# Altium PCB DDR3.PcbDoc (part 2 of 6) (continued)
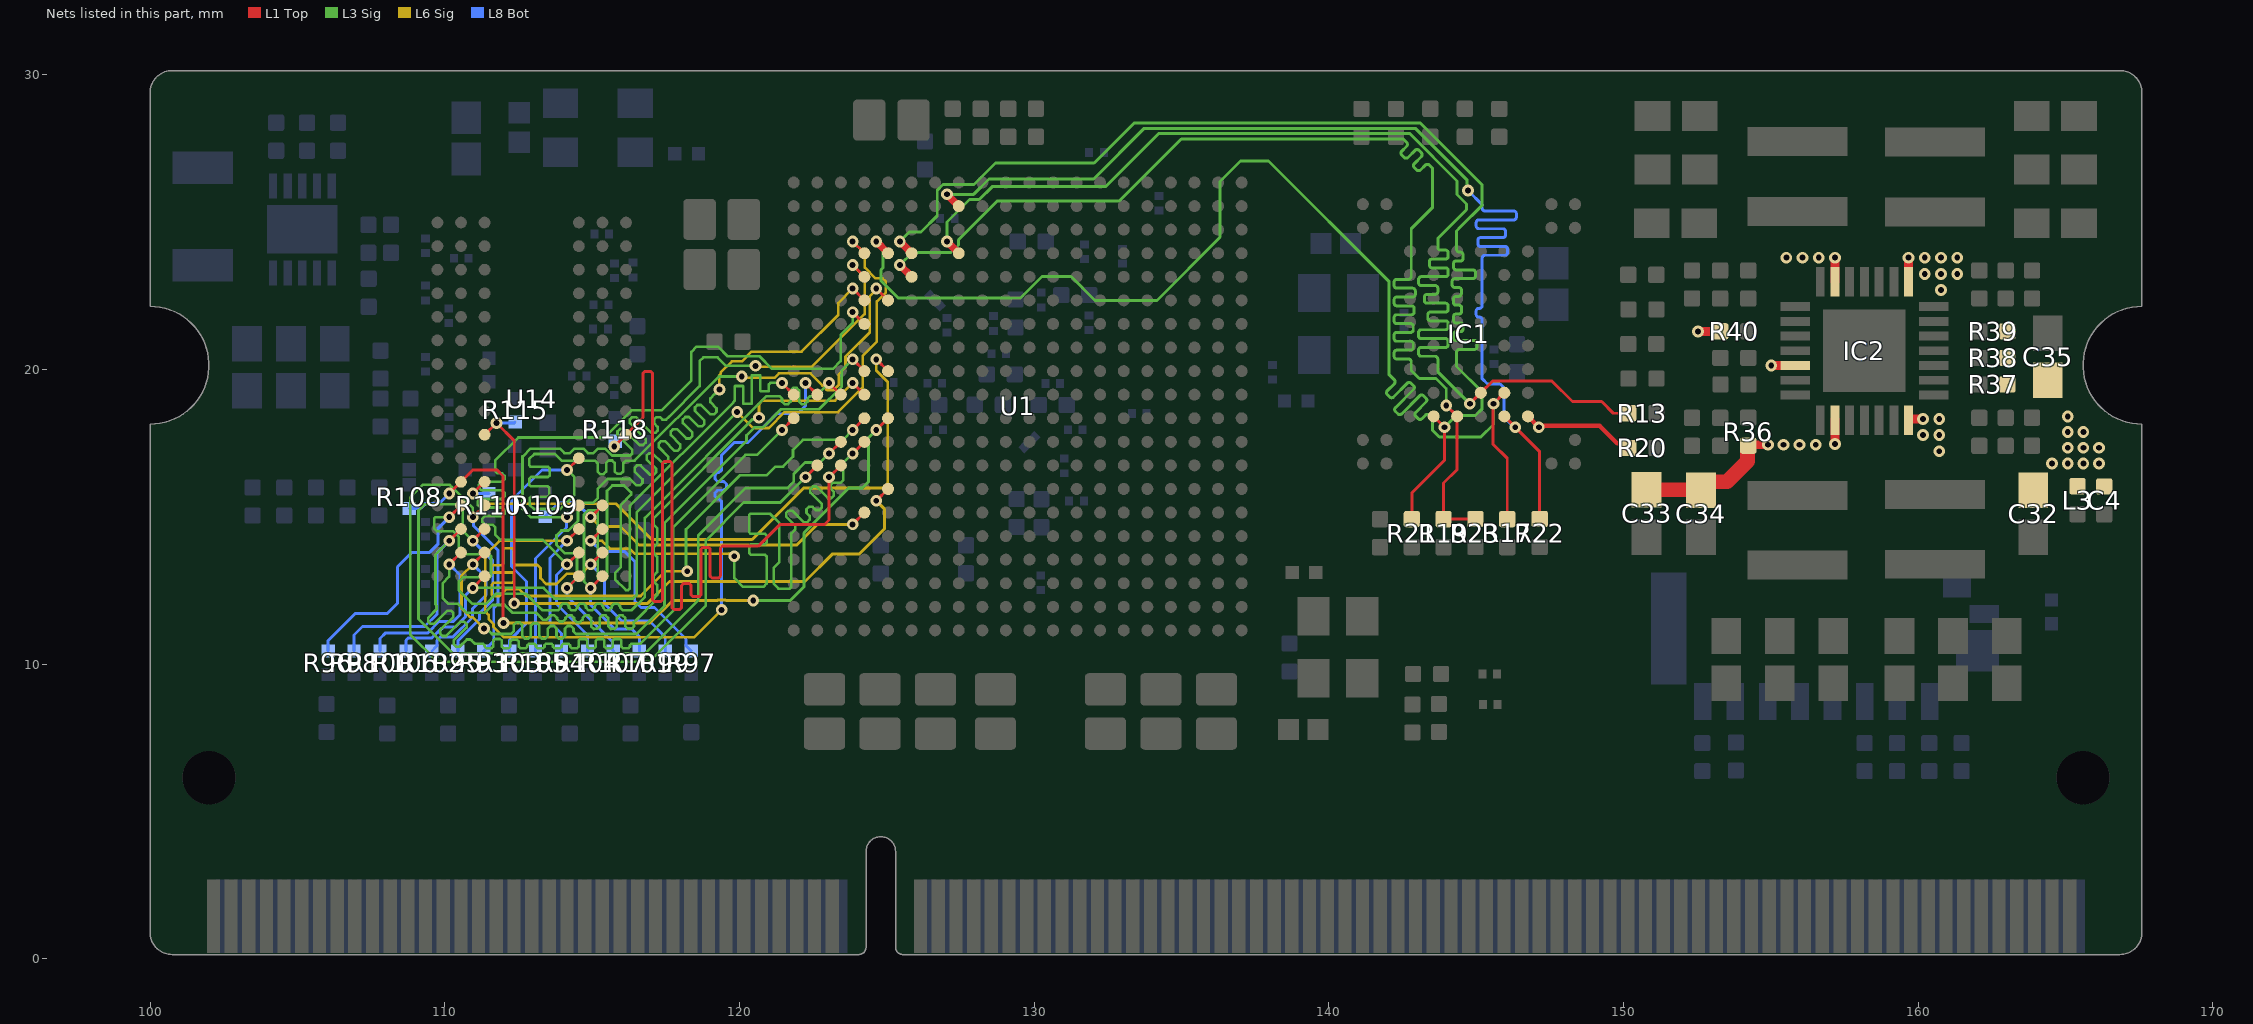
[diagram p8: the nets of this part, all layers, seen from the top]
## Part data (continued)
R46: library part Res_A_0402__________________________Template_1_1_1_1_1, "SMD Chip Resistor, 1 Ohm, ± 5%, 63 mW, 0402 [1005 Metric], Thick Film, General Purpose", Manufacturer="Vishay Dale", Manufacturer Part Number=CRCW04021R00JNED, Operating Temperature="-55°C ~ 125°C", Package=0402, Supplier Part Number=71-CRCW0402J-1.0-E3, Tolerance=±1%, Category="Chip SMD Resistors", Component Type=Generic, ComponentLink1Description=https://datasheet.ciiva.com/7743/dcrcwe3-7743510.pdf?src-supplier=Element14, ComponentLink1URL=https://datasheet.ciiva.com/7743/dcrcwe3-7743510.pdf?src-supplier=Element14, ComponentLink2Description=https://datasheet.ciiva.com/3256/dcrcwe3-3256201.pdf?src-supplier=Avnet, ComponentLink2URL=https://datasheet.ciiva.com/3256/dcrcwe3-3256201.pdf?src-supplier=Avnet, ComponentLink3Description=https://datasheet.ciiva.com/3256/dcrcwe3-3256202.pdf?src-supplier=Avnet, ComponentLink3URL=https://datasheet.ciiva.com/3256/dcrcwe3-3256202.pdf?src-supplier=Avnet, ComponentLink4Description=https://datasheet.ciiva.com/16436/dcrcwe3-16436175.pdf?src-supplier=Future+Electronics, ComponentLink4URL=https://datasheet.ciiva.com/16436/dcrcwe3-16436175.pdf?src-supplier=Future+Electronics, ComponentLink5Description=https://datasheet.ciiva.com/2462/dcrcwe3-2462067.pdf?src-supplier=Digikey, ComponentLink5URL=https://datasheet.ciiva.com/2462/dcrcwe3-2462067.pdf?src-supplier=Digikey, ComponentLink6Description=https://datasheet.ciiva.com/2462/dcrcwe3-2462068.pdf?src-supplier=Digikey, ComponentLink6URL=https://datasheet.ciiva.com/2462/dcrcwe3-2462068.pdf?src-supplier=Digikey, ComponentLink7Description=https://datasheet.ciiva.com/2462/dcrcwe3-2462069.pdf?src-supplier=Digikey, ComponentLink7URL=https://datasheet.ciiva.com/2462/dcrcwe3-2462069.pdf?src-supplier=Digikey, Mounting Type=SMT, Pricing="1=0.1, 10=0.017, 50=0.017, 100=0.008, 1000=0.006, 10000=0.004 (USD)", Resistance=1R, RoHS=Yes, Stock=27024, Supplier=Mouser, Supplier 1=Mouser, Supplier Part Number 1=71-CRCW0402J-1.0-E3
R47: library part Res_A_0402__________________________Template_1_1_1_1_1, "SMD Chip Resistor, 34 kOhm, ± 1%, 63 mW, 0402 [1005 Metric], Thick Film, General Purpose", Case Code (Imperial)=0402, Case Code (Metric)=1005, Manufacturer=Vishay, Manufacturer Part Number=CRCW040234K0FKED, Max Operating Temperature=155°C, Max Power Dissipation=63mW, Min Operating Temperature=-55°C, Operating Temperature="-55°C ~ 125°C", Package Quantity=10000, Resistance Tolerance=1%, Resistor Type="Thick Film", Supplier Part Number=71-CRCW0402-34K-E3, Tolerance=±1%, Voltage Rating=50V, Case/Package=0402, Category="Chip SMD Resistors", Component Type=Generic, ComponentLink1Description=https://datasheet.ciiva.com/7743/125364-7743605.pdf?src-supplier=Element14, ComponentLink1URL=https://datasheet.ciiva.com/7743/125364-7743605.pdf?src-supplier=Element14, ComponentLink2Description=https://datasheet.ciiva.com/7671/1697337-7671583.pdf?src-supplier=Element14, ComponentLink2URL=https://datasheet.ciiva.com/7671/1697337-7671583.pdf?src-supplier=Element14, ComponentLink3Description=https://datasheet.ciiva.com/7671/1697337-7671582.pdf?src-supplier=Element14, ComponentLink3URL=https://datasheet.ciiva.com/7671/1697337-7671582.pdf?src-supplier=Element14, ComponentLink4Description=https://datasheet.ciiva.com/22705/1697337-22705819.pdf?src-supplier=Element14, ComponentLink4URL=https://datasheet.ciiva.com/22705/1697337-22705819.pdf?src-supplier=Element14, ComponentLink5Description=https://datasheet.ciiva.com/2463/dcrcwe3-2463776.pdf?src-supplier=Digikey, ComponentLink5URL=https://datasheet.ciiva.com/2463/dcrcwe3-2463776.pdf?src-supplier=Digikey, ComponentLink6Description=https://datasheet.ciiva.com/2463/dcrcwe3-2463777.pdf?src-supplier=Digikey, ComponentLink6URL=https://datasheet.ciiva.com/2463/dcrcwe3-2463777.pdf?src-supplier=Digikey, ComponentLink7Description=https://datasheet.ciiva.com/2463/dcrcwe3-2463775.pdf?src-supplier=Digikey, ComponentLink7URL=https://datasheet.ciiva.com/2463/dcrcwe3-2463775.pdf?src-supplier=Digikey, ComponentLink8Description=https://datasheet.ciiva.com/16759/70201119-16759964.pdf?src-supplier=Allied+Electronics, ComponentLink8URL=https://datasheet.ciiva.com/16759/70201119-16759964.pdf?src-supplier=Allied+Electronics, ComponentLink9Description=https://datasheet.ciiva.com/5545/dcrcwe3-109170-5545798.pdf?src-supplier=Mouser, ComponentLink9URL=https://datasheet.ciiva.com/5545/dcrcwe3-109170-5545798.pdf?src-supplier=Mouser, ComponentLink10Description=https://datasheet.ciiva.com/3256/dcrcwe3-3256427.pdf?src-supplier=Avnet, ComponentLink10URL=https://datasheet.ciiva.com/3256/dcrcwe3-3256427.pdf?src-supplier=Avnet, ComponentLink11Description=https://datasheet.ciiva.com/3256/dcrcwe3-3256428.pdf?src-supplier=Avnet, ComponentLink11URL=https://datasheet.ciiva.com/3256/dcrcwe3-3256428.pdf?src-supplier=Avnet, Contact Plating=Tin, Depth=0.5mm, Features="Automotive AEC-Q200", Height=0.35mm, Lead Free=5697LeadFree, Length=1mm, Mounting Type=SMT, Number of Terminations=2, Package=0402, Packaging="Tape and Reel", Power Rating=63mW, Pricing="1=0.1, 10=0.019, 50=0.019, 100=0.009, 1000=0.006, 10000=0.004 (USD)", Radiation Hardening=No, Reach SVHC Compliant=Unknown, Resistance=34K, RoHS=Yes, RoHS Compliant=Yes, Series=CRCW, Stock=59595, Supplier=Mouser, Supplier 1=Mouser, Supplier Part Number 1=71-CRCW0402-34K-E3, Technology="THICK FILM", Termination=SMD/SMT, Voltage Rating (DC)=50V, Weight=2.3E-05oz, Width=0.5mm
R112: library part CMP-2002-01154-4, "Chip Resistor, 4.7 KOhm, +/- 1%, 0.1 W, -55 to 155 degC, 0402 (1005 Metric), RoHS, Tape and Reel", Case Code (Imperial)=0402, Case Code (Metric)=1005, Max Operating Temperature="155 degC", Min Operating Temperature="-55 degC", Package Quantity=1, Power Rating="100 mW", Resistance="4.7 KOhm", Tolerance=1%, Voltage Rating="50 V", Case\/Package=0402, ComponentLink1Description="Manufacturer URL", ComponentLink1URL=http://www.panasonic.com/, ComponentLink2Description=Datasheet, ComponentLink2URL=http://industrial.panasonic.com/cdbs/www-data/pdf/RDA0000/AOA0000C86.pdf, DatasheetVersion=04/2015, Height="0.35 mm", Length="1 mm", Mount="Surface Mount", Mounting Technology="Surface Mount", PackageDescription="2-Pin Surface Mount Device, Body 1 x 0.5 mm", PackageReference=0402, Packaging="Cut Tape", PartNumber=ERJ-2RKF4701X, Pins=2, Radiation Hardening=No, REACH SVHC=Yes, RoHSCompliant=true, Width="0.5 mm"
R113: library part CMP-2002-08397-1, Manufacturer="Vishay Dale", Supplier Part Number=71-CRCW0402240RFKED, Category="Chip SMD Resistors", ComponentLink1Description=https://datasheet.ciiva.com/11809/0900766b80d98824-11809853.pdf?src-supplier=Rs, ComponentLink1URL=https://datasheet.ciiva.com/11809/0900766b80d98824-11809853.pdf?src-supplier=Rs, ComponentLink2Description=https://datasheet.ciiva.com/2463/dcrcwe3-2463067.pdf?src-supplier=Digikey, ComponentLink2URL=https://datasheet.ciiva.com/2463/dcrcwe3-2463067.pdf?src-supplier=Digikey, ComponentLink3Description=https://datasheet.ciiva.com/2463/dcrcwe3-2463068.pdf?src-supplier=Digikey, ComponentLink3URL=https://datasheet.ciiva.com/2463/dcrcwe3-2463068.pdf?src-supplier=Digikey, ComponentLink4Description=https://datasheet.ciiva.com/2463/dcrcwe3-2463069.pdf?src-supplier=Digikey, ComponentLink4URL=https://datasheet.ciiva.com/2463/dcrcwe3-2463069.pdf?src-supplier=Digikey, ComponentLink5Description=https://datasheet.ciiva.com/16780/70201119-16780206.pdf?src-supplier=Allied+Electronics, ComponentLink5URL=https://datasheet.ciiva.com/16780/70201119-16780206.pdf?src-supplier=Allied+Electronics, ComponentLink6Description=https://datasheet.ciiva.com/16784/70201119-16784686.pdf?src-supplier=Allied+Electronics, ComponentLink6URL=https://datasheet.ciiva.com/16784/70201119-16784686.pdf?src-supplier=Allied+Electronics, ComponentLink7Description=https://datasheet.ciiva.com/16204/dcrcwe3-16204941.pdf?src-supplier=Future+Electronics, ComponentLink7URL=https://datasheet.ciiva.com/16204/dcrcwe3-16204941.pdf?src-supplier=Future+Electronics, ComponentLink8Description=https://datasheet.ciiva.com/5546/dcrcwe3-109170-5546510.pdf?src-supplier=Mouser, ComponentLink8URL=https://datasheet.ciiva.com/5546/dcrcwe3-109170-5546510.pdf?src-supplier=Mouser, Manufacturer Part Number=CRCW0402240RFKED, Part Number=CRCW0402240RFKED, RoHS=Yes, Stock=394314, Supplier=Mouser
R119: library part CMP-2002-00238-1, Manufacturer="Vishay Dale", Part Number=CRCW040282R0FKED
Slot1: library part Slot_DDR3
U1: "667 MHz Zynq?7000 AP SoC, 130 PS I/O, 100 FPGA I/O, 400-Ball BGA, Speed Grade 1, Industrial Grade, Pb-Free", Generic Part Number=XC7Z010, Manufacturer=Xilinx, Code_JEDEC=MO-275-MMAA-1, ComponentLink1Description=Datasheet, ComponentLink1URL=http://www.xilinx.com/support/documentation/data_sheets/ds190-Zynq-7000-Overview.pdf, ComponentLink2Description="Package Specification", ComponentLink2URL=http://www.xilinx.com/support/documentation/user_guides/ug865-Zynq-7000-Pkg-Pinout.pdf, ComponentLink3Description="DC and AC Switching Characteristics", ComponentLink3URL=http://www.xilinx.com/support/documentation/data_sheets/ds187-XC7Z010-XC7Z020-Data-Sheet.pdf, ComponentLink4Description="Package File", ComponentLink4URL=http://www.xilinx.com/support/packagefiles/z7packages/xc7z010clg400pkg.txt, ComponentLink5Description="Packaging and Pinout", ComponentLink5URL=http://www.xilinx.com/support/documentation/user_guides/ug865-Zynq-7000-Pkg-Pinout.pdf, ComponentLink6Description="PCB and Layout Guide", ComponentLink6URL=http://www.xilinx.com/support/documentation/user_guides/ug483_7Series_PCB.pdf, DatasheetVersion=v1.2, Extensible Block RAM (# 36Kb Blocks)="240 KB (60)", Flip Flops=35200, LUTs=17600, Mounting Technology="Surface Mount", PackageDescription="Wire-Bond Chip-Scale BGA, Body 17 x 17 mm, 0.8 mm Pitch", PackageReference=CLG400, PackageVersion="Rev 1.1", PartNumber=XC7Z010-1CLG400I, RoHS=Pb-Free, Speed Grade=-1
U14: library part CMP-2000-06768-1, "4Gb DDR3 SDRAM, 256 Meg x 16, 1.5 V, 0 to 95 degC, 96-Ball FBGA (HA), RoHS, Tray", Manufacturer=Micron, Operating Temperature=0°C~95°C, Package / Case=96-TFBGA, Package Description="96-Ball Fine-Pitch Ball Grid Array, Body 14 x 9 mm, Pitch 0.8 mm", Package Reference=HA-96, Standard Package=1,000, Supplier Device Package=96-FBGA(9x14), Voltage - Supply=1.425V~1.575V, Category=IntegratedCircuits(ICs), Datasheet URL=https://www.micron.com/~/media/documents/products/data-sheet/dram/ddr3/4gb_ddr3_sdram.pdf, Datasheet Version="Rev. N, 12/2014", Family=Memory, Format - Memory=RAM, Interface=Parallel, Manufacturer URL=http://www.micron.com/, Memory Size=4G(256Mx16), memory type=DDR3SDRAM, Mounting Technology=SurfaceMount, Packaging=Tray, Speed=933MHz
U15: library part CMP-0395-00657-1, "Single Output LDO, 3 A, 2.375 to 3.5 V Input, with DDR Termination, 10-pin SON (DRC), -40 to 85 degC, Green (RoHS & no Sb/Br)", Manufacturer="Texas Instruments", Power Good=TRUE, Rating=Catalog, ComponentLink1Description="Manufacturer URL", ComponentLink1URL=http://www.ti.com/, ComponentLink2Description=Datasheet, ComponentLink2URL=http://www.ti.com/general/docs/lit/getliterature.tsp?genericPartNumber=TPS51200&fileType=pdf, ComponentLink3Description="Package Specification", ComponentLink3URL=http://www.ti.com/litv/pdf/mpds117k, ComponentLink4Description="URL Link1", ComponentLink4URL="Samples URL:http://www.ti.com/product/tps51200#samples", DatasheetVersion=SLUS812, Eco-Plan="Green (RoHS & no Sb/Br)", Iout(Max)(A)=3, Iq(Typ)(mA)=0.5, Mounting Technology="Surface Mount", PackageDescription="10-Pin Plastic Small Outline, Body 3 x 3 mm, Pitch 0.5 mm", PackageReference=DRC10-2400X1650TP, PackageVersion=4204102-3/L, PartNumber=TPS51200DRCRG4, SubFamily="Single Channel LDO", Vin(Max)(V)=3.5, Vin(Min)(V)=2.3
Y1: library part CMP-27762-006902-1, "XTAL Oscillator 33.3333MHz ±50ppm CMOS 1.8V 4-SMD 3.2mm x 2.5mm", Case/Package=SMD/SMT, Frequency=33.3333MHz, Frequency Stability=50ppm, Max Operating Temperature=85°C, Max Supply Current=6mA, Min Operating Temperature=-40°C, Mount="Surface Mount", Packaging="Tape and Reel"
Y2 Y3: library part CMP-27762-004169-1, "XTAL Oscillator 50MHz ±25ppm CMOS 3.3V 4-SMD 3.2mm x 2.5mm", Case/Package=SMD/SMT, Frequency=50MHz, Frequency Stability=25ppm, Load Capacitance=15pF, Max Operating Temperature=85°C, Max Supply Current=19mA, Max Supply Voltage=3.465V, Min Operating Temperature=-40°C, Min Supply Voltage=3.135V, Operating Supply Voltage=3.3V, Package Quantity=1000, Height=0.047inch, Length=0.126inch, Mount="Surface Mount", Number of Pins=4, Packaging="Tape and Reel", REACH SVHC="No SVHC", Series=ASE, Width=0.098inch

## Free pads (board coordinates)
  round 1.524 hole 3.9 unplated: 1(100,20.15) 1(167.6,20.15)

## Via types
v1: diameter 0.4, hole 0.2, L1 Top to L8 Bot, 802 vias
v2: diameter 0.5, hole 0.2, L1 Top to L8 Bot, 4 vias

## Nets (pads, with @x,y where several pads share a name; then routed paths per layer and width w, separated by ;. In a path a pad name is that pad's centre, name@x,y a point inside that pad or via, vN(x,y) a via of type N, cw(c..) or ccw(c..) an arc to the next point about the centre after c; other vN are vias at no path point)
#RE_0: IC1.D4 R17.1 U1.D5 | length 42.3
  L1 Top w0.1: IC1.D4@145.961,19.215 v1(145.59,18.844) 145.57,18.824 145.57,17.48 146.06,16.99 R17.1@146.06,14.926
  L1 Top w0.254: v1(124.645,24.351) U1.D5@125.045,23.951
  L3 Sig w0.1: v1(124.645,24.351) 124.645,24.286 124.875,24.056 124.875,23.456 124.806,23.387 124.806,23.014 125.39,22.43 129.541,22.43 130.271,23.16 131.26,23.16 132.07,22.35 134.169,22.35 136.315,24.496 136.315,26.387 137.009,27.081 137.428,27.081 ; 137.428,27.081 137.96,27.081 142.04,23.001 142.04,19.84 142.056,19.824 142.222,19.658 cw(c142.151,19.587) 142.222,19.517 141.989,19.284 ccw(c142.052,19.22) 141.989,19.156 142.073,19.071 ccw(c142.137,19.135) 142.201,19.071 142.668,19.538 cw(c142.731,19.475) 142.795,19.538 142.88,19.453 cw(c142.816,19.39) 142.88,19.326 142.264,18.711 ccw(c142.328,18.647) 142.264,18.583 142.349,18.499 ccw(c142.413,18.562) 142.476,18.499 143.092,19.114 cw(c143.156,19.05) 143.219,19.114 143.304,19.029 cw(c143.24,18.966) 143.304,18.902 142.952,18.55 ccw(c143.015,18.486) 142.952,18.422 143.037,18.337 ccw(c143.1,18.401) 143.164,18.337 143.282,18.456 cw(c143.353,18.385) 143.424,18.456 143.459,18.421 143.53,18.35 143.53,17.939 143.755,17.714 145.164,17.714 145.59,18.14 v1(145.59,18.844)
#WE_0: IC1.C7 R21.1 U1.D6 | length 41.8
  L1 Top w0.1: R21.1@142.82,14.926 142.82,15.81 143.932,16.922 v1(143.932,18.044) IC1.C7@143.561,18.415
  L1 Top w0.254: v1(125.445,24.351) U1.D6@125.845,23.951
  L3 Sig w0.1: v1(125.445,24.351) 125.765,24.67 126.16,24.67 126.715,25.225 126.715,26.088 126.908,26.281 127.965,26.281 128.694,27.01 132.04,27.01 133.4,28.37 143.109,28.37 145.21,26.269 145.21,25.58 144.468,24.838 144.34,24.71 144.34,24.088 ccw(c144.44,24.088) 144.44,23.988 144.47,23.988 cw(c144.47,23.898) 144.56,23.898 144.56,23.778 cw(c144.47,23.778) 144.47,23.688 144.326,23.688 ccw(c144.326,23.598) 144.236,23.598 144.236,23.478 ccw(c144.326,23.478) 144.326,23.388 144.89,23.388 cw(c144.89,23.298) 144.98,23.298 144.98,23.178 cw(c144.89,23.178) 144.89,23.088 144.281,23.088 ccw(c144.281,22.998) 144.191,22.998 144.191,22.878 ccw(c144.281,22.878) 144.281,22.788 144.412,22.788 cw(c144.412,22.698) 144.502,22.698 144.502,22.578 cw(c144.412,22.578) 144.412,22.488 144.326,22.488 ccw(c144.326,22.398) 144.236,22.398 144.236,22.278 ccw(c144.326,22.278) 144.326,22.188 144.42,22.188 cw(c144.42,22.098) 144.51,22.098 144.51,21.978 cw(c144.42,21.978) 144.42,21.888 144.326,21.888 ccw(c144.326,21.798) 144.236,21.798 144.236,21.678 ccw(c144.326,21.678) 144.326,21.588 144.47,21.588 cw(c144.47,21.498) 144.56,21.498 144.56,21.378 cw(c144.47,21.378) 144.47,21.288 144.326,21.288 ccw(c144.326,21.198) 144.236,21.198 144.236,21.078 ccw(c144.326,21.078) 144.326,20.988 144.95,20.988 cw(c144.95,20.898) 145.04,20.898 145.04,20.778 cw(c144.95,20.778) 144.95,20.688 144.44,20.688 ccw(c144.44,20.588) 144.34,20.588 144.34,20.171 144.34,20.11 145.21,19.24 145.21,18.67 144.98,18.44 144.328,18.44 v1(143.932,18.044)
#WP: IC1.C3 R20.1 | length 3.9
  L1 Top w0.15: IC1.C3@146.761,18.415 v1(147.132,18.044) 147.178,18.09 149.2,18.09 149.793,17.497 150.019,17.497 R20.1@150.17,17.345
+PV: C4.2 C32.1 C33.1 C34.1 C35.1 IC2.2 IC2.7 IC2.15 IC2.20 IC2.26 L3.2 R36.1 R37.1 R38.1 R39.1 R40.1 | length 9.6
  L1 Top w0.1: v1(152.537,21.297) v1@152.54,21.3 ; R36.1@154.239,17.42 R36.1@154.269,17.45 ; IC2.7@159.68,18.29 IC2.7@159.72,18.33
  L1 Top w0.3: v1@152.54,21.3 R40.1@153.29,21.3 ; R36.1@154.269,17.45 v1(154.91,17.45) ; v1(155.02,20.14) IC2.26@155.83,20.14 ; v1(157.18,17.48) IC2.2@157.18,18.29 ; IC2.20@157.18,22.99 v1(157.18,23.8) ; IC2.15@159.68,22.99 v1(159.68,23.8) ; IC2.7@159.72,18.33 v1(160.17,18.33)
  L1 Top w0.5: C33.1@150.79,15.922 152.63,15.922 152.63,15.939 152.886,16.195 153.518,16.195 154.214,16.891 154.214,17.395 R36.1@154.239,17.42
  other v1: 164.55,16.82 165.08,16.82 165.61,16.82 166.14,16.82 160.72,17.23 165.08,17.35 165.61,17.35 166.14,17.35 155.43,17.45 155.98,17.45 156.53,17.45 160.17,17.78 160.72,17.78 165.08,17.88 165.61,17.88 160.72,18.33 165.08,18.41 160.78,22.7 160.23,23.25 160.78,23.25 161.33,23.25 155.53,23.8 156.08,23.8 156.63,23.8 160.23,23.8 160.78,23.8 161.33,23.8
ALE_0: IC1.C4 R22.1 U1.B8 | length 39.3
  L1 Top w0.1: IC1.C4@145.961,18.415 v1(146.332,18.044) 147.16,17.216 R22.1@147.16,14.93
  L1 Top w0.254: v1(127.045,25.951) U1.B8@127.445,25.551
  L3 Sig w0.1: v1(127.045,25.951) 127.951,25.951 128.474,26.474 132.024,26.474 133.74,28.19 142.94,28.19 144.7,26.43 144.7,26.11 v1(144.73,26.08)
  L8 Bot w0.1: v1(144.73,26.08) 145.21,25.6 145.21,25.532 145.21,25.482 ccw(c145.31,25.482) 145.31,25.382 146.28,25.382 cw(c146.28,25.292) 146.37,25.292 146.37,25.172 cw(c146.28,25.172) 146.28,25.082 145.096,25.082 ccw(c145.096,24.992) 145.006,24.992 145.006,24.872 ccw(c145.096,24.872) 145.096,24.782 145.912,24.782 cw(c145.912,24.692) 146.002,24.692 146.002,24.572 cw(c145.912,24.572) 145.912,24.482 145.152,24.482 ccw(c145.152,24.392) 145.062,24.392 145.062,24.272 ccw(c145.152,24.272) 145.152,24.182 145.98,24.182 cw(c145.98,24.092) 146.07,24.092 146.07,23.972 cw(c145.98,23.972) 145.98,23.882 145.31,23.882 ccw(c145.31,23.782) 145.21,23.782 145.21,22.182 cw(c145.11,22.182) 145.11,22.082 145.096,22.082 ccw(c145.096,21.992) 145.006,21.992 145.006,21.872 ccw(c145.096,21.872) 145.096,21.782 145.11,21.782 cw(c145.11,21.682) 145.21,21.682 145.21,19.964 145.21,19.69 145.39,19.51 145.818,19.51 145.955,19.374 145.955,18.385 146.296,18.044 v1(146.332,18.044)
CLK_0: IC1.D5 R13.1 U1.D8 | length 43.7
  L1 Top w0.1: v1(144.79,18.844) IC1.D5@145.161,19.215 145.556,19.61 147.58,19.61 148.275,18.915 149.265,18.915 149.66,18.52 R13.1@150.17,18.52
  L1 Top w0.254: v1(127.045,24.351) U1.D8@127.445,23.951
  L3 Sig w0.1: v1(127.045,24.351) 127.045,25.01 127.806,25.771 128.14,25.771 128.579,26.21 132.429,26.21 134.229,28.01 142.75,28.01 144.355,26.405 144.355,25.945 144.68,25.62 144.68,25.43 143.702,24.452 143.702,24.205 143.702,24.155 ccw(c143.802,24.155) 143.802,24.055 143.966,24.055 cw(c143.966,23.965) 144.056,23.965 144.056,23.845 cw(c143.966,23.845) 143.966,23.755 143.51,23.755 ccw(c143.51,23.665) 143.42,23.665 143.42,23.545 ccw(c143.51,23.545) 143.51,23.455 143.966,23.455 cw(c143.966,23.365) 144.056,23.365 144.056,23.245 cw(c143.966,23.245) 143.966,23.155 143.14,23.155 ccw(c143.14,23.065) 143.05,23.065 143.05,22.945 ccw(c143.14,22.945) 143.14,22.855 143.612,22.855 cw(c143.612,22.765) 143.702,22.765 143.702,22.645 cw(c143.612,22.645) 143.612,22.555 143.337,22.555 ccw(c143.337,22.465) 143.247,22.465 143.247,22.345 ccw(c143.337,22.345) 143.337,22.255 143.966,22.255 cw(c143.966,22.165) 144.056,22.165 144.056,22.045 cw(c143.966,22.045) 143.966,21.955 143.452,21.955 ccw(c143.452,21.865) 143.362,21.865 143.362,21.745 ccw(c143.452,21.745) 143.452,21.655 143.966,21.655 cw(c143.966,21.565) 144.056,21.565 144.056,21.445 cw(c143.966,21.445) 143.966,21.355 143.14,21.355 ccw(c143.14,21.265) 143.05,21.265 143.05,21.145 ccw(c143.14,21.145) 143.14,21.055 143.966,21.055 cw(c143.966,20.965) 144.056,20.965 144.056,20.845 cw(c143.966,20.845) 143.966,20.755 143.14,20.755 ccw(c143.14,20.665) 143.05,20.665 143.05,20.545 ccw(c143.14,20.545) 143.14,20.455 143.602,20.455 cw(c143.602,20.355) 143.702,20.355 143.702,20.114 143.702,19.931 v1(144.79,18.844)
CS_0: IC1.C6 R19.1 R23.2 U1.E6 | length 42.8
  L1 Top w0.1: v1(143.99,18.786) IC1.C6@144.361,18.415 144.361,16.611 143.9,16.15 R19.1@143.9,14.926 143.902,14.928 144.977,14.928 R23.2@144.979,14.93
  L1 Top w0.254: v1(125.445,23.551) U1.E6@125.845,23.151
  L3 Sig w0.1: v1(125.445,23.551) 125.874,23.98 127.183,23.98 127.433,24.23 127.433,24.406 127.726,24.699 128.748,25.721 132.89,25.721 134.999,27.83 142.337,27.83 142.53,27.83 142.642,27.718 cw(c142.571,27.647) 142.642,27.576 142.479,27.413 ccw(c142.542,27.349) 142.479,27.286 142.564,27.201 ccw(c142.627,27.264) 142.691,27.201 142.934,27.444 cw(c142.998,27.38) 143.061,27.444 143.146,27.359 cw(c143.083,27.296) 143.146,27.232 142.903,26.989 ccw(c142.967,26.925) 142.903,26.861 142.988,26.777 ccw(c143.051,26.84) 143.115,26.777 143.279,26.94 cw(c143.349,26.869) 143.42,26.94 143.53,26.83 143.53,26.322 143.53,25.51 142.802,24.782 142.802,23.514 142.802,23.164 cw(c142.702,23.164) 142.702,23.064 142.31,23.064 ccw(c142.31,22.974) 142.22,22.974 142.22,22.854 ccw(c142.31,22.854) 142.31,22.764 142.849,22.764 cw(c142.849,22.674) 142.939,22.674 142.939,22.554 cw(c142.849,22.554) 142.849,22.464 142.31,22.464 ccw(c142.31,22.374) 142.22,22.374 142.22,22.254 ccw(c142.31,22.254) 142.31,22.164 142.812,22.164 cw(c142.812,22.074) 142.902,22.074 142.902,21.954 cw(c142.812,21.954) 142.812,21.864 142.31,21.864 ccw(c142.31,21.774) 142.22,21.774 142.22,21.654 ccw(c142.31,21.654) 142.31,21.564 142.78,21.564 cw(c142.78,21.474) 142.87,21.474 142.87,21.354 cw(c142.78,21.354) 142.78,21.264 142.31,21.264 ccw(c142.31,21.174) 142.22,21.174 142.22,21.054 ccw(c142.31,21.054) 142.31,20.964 142.78,20.964 cw(c142.78,20.874) 142.87,20.874 142.87,20.754 cw(c142.78,20.754) 142.78,20.664 142.31,20.664 ccw(c142.31,20.574) 142.22,20.574 142.22,20.454 ccw(c142.31,20.454) 142.31,20.364 142.702,20.364 cw(c142.702,20.264) 142.802,20.264 142.802,19.974 142.921,19.855 143.076,19.7 143.64,19.7 143.96,19.38 143.99,19.35 v1(143.99,18.786)
DDR-0-A0: R93.2 U1.N2 U14.N3 | length 31.5
  L1 Top w0.1: v1(110.954,14.993) U14.N3@111.354,15.393 ; v1(122.245,16.351) U1.N2@122.645,16.751
  L3 Sig w0.09: v1(110.954,14.993) 110.954,15.311 110.247,16.018 110.237,16.018 110.155,16.1 109.27,16.1 108.83,15.66 108.83,11.01 109.75,10.09 116.95,10.09 118.86,12 118.86,14.21 120.144,15.494 121.388,15.494 v1(122.245,16.351)
  L8 Bot w0.1: v1(110.954,14.993) 110.97,14.977 110.97,14.714 111.81,13.874 111.81,12.06 111.664,11.914 111.664,10.792 R93.2@111.325,10.452
DDR-0-A1: R94.2 U1.K2 U14.P7 | length 29.5
  L1 Top w0.1: v1(114.154,14.193) U14.P7@114.554,14.593 ; v1(122.245,19.551) U1.K2@122.645,19.151
  L6 Sig w0.09: v1(114.154,14.193) 111.853,14.193 111.38,13.72 111.38,11.79 111.49,11.68 111.49,11.532 111.655,11.367 111.655,11.265 112,10.92 118.47,10.92 v1(119.4,11.85)
  L8 Bot w0.1: R94.2@113.964,10.452 113.964,11.046 113.57,11.44 113.57,13.609 v1(114.154,14.193) ; v1(119.4,11.85) 119.4,15.468 119.4,15.518 119.31,15.608 119.262,15.608 119.172,15.698 119.172,15.818 119.262,15.908 119.47,15.908 119.56,15.998 119.56,16.118 119.47,16.208 119.262,16.208 119.172,16.298 119.172,16.418 119.262,16.508 119.31,16.508 119.4,16.598 119.4,16.926 119.4,17.1 119.826,17.526 120.29,17.526 121.267,18.503 121.973,18.503 122.245,18.775 v1(122.245,19.551)
DDR-0-A2: R95.2 U1.M3 U14.P3 | length 30.9
  L1 Top w0.1: v1(110.954,14.193) U14.P3@111.354,14.593 ; v1(123.045,17.151) U1.M3@123.445,17.551
  L3 Sig w0.09: v1(110.954,14.193) 110.607,14.54 110.607,15.253 110.43,15.43 109.313,15.43 109.11,15.227 109.11,11.54 110.28,10.37 116.8,10.37 118.61,12.18 118.61,14.38 120.215,15.985 121.639,15.985 121.85,16.196 121.85,16.467 122.233,16.85 122.744,16.85 v1(123.045,17.151)
  L8 Bot w0.1: R95.2@110.445,10.452 110.445,10.795 111.18,11.53 111.18,11.73 111.63,12.18 111.63,13.517 v1(110.954,14.193)
DDR-0-A3: R96.2 U1.K3 U14.N2 | length 34.1
  L1 Top w0.1: v1(110.154,14.993) U14.N2@110.554,15.393 ; v1(123.045,19.551) U1.K3@123.445,19.151
  L3 Sig w0.09: v1(110.154,14.993) 109.693,14.993 109.64,14.94 109.64,14.61 109.732,14.518 110.289,14.518 110.479,14.328 110.479,13.81 110.559,13.73 111.517,13.73 111.57,13.677 111.57,13.003 111.517,12.95 110.619,12.95 110.479,12.81 110.479,12.51 110.939,12.05 111.4,12.05 111.745,12.395 112.755,12.395 113.302,11.848 113.316,11.834 113.84,11.834 113.927,11.921 113.927,11.971 114.014,12.058 114.13,12.058 114.217,11.971 114.217,11.921 114.304,11.834 114.42,11.834 114.507,11.921 114.507,11.971 114.594,12.058 114.71,12.058 114.797,11.971 114.797,11.921 114.884,11.834 115,11.834 115.087,11.921 115.087,11.971 115.174,12.058 115.29,12.058 115.377,11.971 115.377,11.921 115.464,11.834 115.58,11.834 115.667,11.921 115.667,11.971 115.754,12.058 115.87,12.058 115.957,11.971 115.957,11.921 116.044,11.834 116.344,11.834 116.379,11.869 116.79,12.28 116.79,14.966 120.925,19.101 121.027,19.101 121.362,19.101 121.449,19.014 121.449,18.914 121.536,18.827 121.652,18.827 121.739,18.914 121.739,19.298 121.826,19.385 121.942,19.385 122.029,19.298 122.029,18.914 122.116,18.827 122.232,18.827 122.319,18.914 122.319,19.014 122.406,19.101 122.591,19.101 122.595,19.101 v1(123.045,19.551)
  L8 Bot w0.1: R96.2@106.045,10.452 106.045,10.805 106.97,11.73 108.06,11.73 108.4,12.07 108.4,13.31 108.89,13.8 109.49,13.8 109.78,14.09 109.78,14.619 v1(110.154,14.993)
DDR-0-A4: R97.2 U1.M4 U14.P8 | length 30.6
  L1 Top w0.1: v1(114.954,14.193) U14.P8@115.354,14.593 ; v1(123.845,17.151) U1.M4@124.245,17.551
  L3 Sig w0.09: v1(119.828,13.667) 119.828,12.922 120.12,12.63 120.82,12.63 120.927,12.737 120.927,13.664 120.874,13.717 120.393,13.717 120.34,13.77 120.34,14.021 120.393,14.074 120.874,14.074 120.927,14.127 120.927,14.377 120.874,14.43 120.385,14.43 120.332,14.483 120.332,15.063 120.385,15.116 121.031,15.116 121.358,14.789 121.358,13.468 121.163,13.273 121.163,12.736 121.329,12.57 121.711,12.57 121.763,12.623 121.763,14.443 121.866,14.546 121.898,14.578 121.898,14.701 121.59,15.009 121.59,15.132 121.672,15.214 121.795,15.214 122.183,14.826 122.306,14.826 122.388,14.908 122.388,15.031 122.277,15.142 122.277,15.265 122.359,15.347 122.482,15.347 122.593,15.236 122.716,15.236 122.798,15.318 122.798,15.441 122.41,15.829 122.41,15.952 122.492,16.034 122.615,16.034 123.003,15.646 123.126,15.646 123.208,15.728 123.208,15.851 123.097,15.962 123.097,16.085 123.179,16.167 123.302,16.167 123.31,16.159 123.433,16.159 123.52,16.246 123.52,16.317 123.52,16.826 v1(123.845,17.151)
  L6 Sig w0.09: v1(114.954,14.193) 115.34,14.193 115.609,13.925 116.276,13.925 116.444,13.757 v1@119.654,13.757
  L6 Sig w0.1: v1@119.654,13.757 119.744,13.667 v1(119.828,13.667)
  L8 Bot w0.1: v1(114.954,14.193) 115.317,13.83 116.11,13.83 116.45,13.49 116.45,12.14 116.66,11.93 117.12,11.93 118.189,10.861 118.189,10.627 R97.2@118.364,10.452
DDR-0-A5: R98.2 U1.L1 U14.P2 | length 33.7
  L1 Top w0.1: v1(110.154,14.193) U14.P2@110.554,14.593 ; v1(121.445,17.951) U1.L1@121.845,18.351
  L3 Sig w0.09: v1(110.154,14.193) 109.69,13.729 109.69,12.116 109.69,12.03 109.728,11.992 109.728,11.869 109.436,11.577 109.436,11.454 109.518,11.372 109.641,11.372 110.088,11.818 110.211,11.818 110.293,11.736 110.293,11.613 109.846,11.167 109.846,11.044 109.928,10.962 110.051,10.962 110.538,11.449 110.661,11.449 110.743,11.367 110.743,11.244 110.306,10.807 110.306,10.684 110.388,10.602 110.511,10.602 110.753,10.844 110.876,10.844 110.908,10.812 111.02,10.7 111.155,10.7 111.299,10.7 111.357,10.642 111.357,10.598 111.415,10.54 111.589,10.54 111.647,10.598 111.647,10.802 111.705,10.86 111.879,10.86 111.937,10.802 111.937,10.598 111.995,10.54 112.169,10.54 112.227,10.598 112.227,10.774 112.285,10.832 112.459,10.832 112.517,10.774 112.517,10.598 112.575,10.54 112.749,10.54 112.807,10.598 112.807,10.642 112.865,10.7 113.039,10.7 113.097,10.642 113.097,10.598 113.155,10.54 113.329,10.54 113.387,10.598 113.387,10.642 113.445,10.7 113.619,10.7 113.677,10.642 113.677,10.598 113.735,10.54 113.909,10.54 113.967,10.598 113.967,10.642 114.025,10.7 114.199,10.7 114.257,10.642 114.257,10.598 114.315,10.54 114.489,10.54 114.547,10.598 114.547,10.802 114.605,10.86 114.779,10.86 114.837,10.802 114.837,10.598 114.895,10.54 115.069,10.54 115.127,10.598 115.127,10.802 115.185,10.86 115.359,10.86 115.417,10.802 115.417,10.598 115.475,10.54 115.649,10.54 115.707,10.598 115.707,10.802 115.765,10.86 115.939,10.86 115.997,10.802 115.997,10.598 116.055,10.54 116.229,10.54 116.287,10.598 116.287,10.642 116.345,10.7 116.39,10.7 116.64,10.7 117.76,11.82 117.76,14.66 120.21,17.11 120.604,17.11 v1(121.445,17.951)
  L8 Bot w0.1: R98.2@106.925,10.452 106.925,10.995 107.21,11.28 109.314,11.28 109.745,11.711 109.745,13.784 v1(110.154,14.193)
DDR-0-A6: R99.2 U1.L4 U14.R8 | length 28.9
  L1 Top w0.1: v1(114.954,13.393) U14.R8@115.354,13.793 ; v1(123.845,17.951) U1.L4@124.245,18.351
  L3 Sig w0.09: v1(118.233,13.16) 118.19,13.203 118.19,14.58 120.03,16.42 120.93,16.42 121.22,16.71 121.48,16.71 121.82,17.05 121.82,17.28 122.16,17.62 123.514,17.62 v1(123.845,17.951)
  L6 Sig w0.09: v1(114.954,13.393) 114.638,13.077 114.147,13.077 113.796,12.726 113.445,12.726 113.25,12.921 113.25,13.27 113.15,13.37 112.404,13.37 112.338,13.436 112.338,13.887 112.285,13.94 112.043,13.94 111.991,13.887 111.991,13.421 111.938,13.368 111.661,13.368 111.659,13.37 111.595,13.307 111.595,13.17 111.648,13.118 112.295,13.118 112.348,13.065 112.348,12.823 112.295,12.77 111.664,12.77 111.597,12.704 111.597,12.367 111.655,12.31 111.85,12.31 112.085,12.545 112.54,12.545 112.765,12.32 116.65,12.32 117.49,13.16 v1(118.233,13.16)
  L8 Bot w0.1: v1(114.954,13.393) 115.424,12.923 115.424,12.056 116.012,11.468 116.947,11.468 117.484,10.931 R99.2@117.484,10.452
DDR-0-A7: R100.2 U1.K4 U14.R2 | length 30.2
  L1 Top w0.1: v1(110.154,13.393) U14.R2@110.554,13.793 ; v1(123.845,19.551) U1.K4@124.245,19.151
  L3 Sig w0.09: v1(110.154,13.393) 110.154,12.974 109.929,12.749 109.929,12.252 110.131,12.05 110.455,12.05 110.76,11.745 111.355,11.745 111.624,12.015 112.035,12.015 112.299,11.751 113.099,11.751 113.233,11.617 113.279,11.571 113.294,11.556 113.343,11.512 113.457,11.513 113.519,11.575 113.606,11.663 113.722,11.664 113.809,11.577 113.81,11.538 113.897,11.452 114.013,11.453 114.1,11.541 114.099,11.575 114.186,11.663 114.302,11.664 114.389,11.577 114.39,11.518 114.478,11.432 114.594,11.433 114.68,11.521 114.68,11.575 114.766,11.663 114.882,11.664 114.969,11.577 114.972,11.287 115.06,11.201 115.176,11.202 115.262,11.289 115.26,11.575 115.346,11.663 115.462,11.664 115.55,11.577 115.552,11.287 115.64,11.201 115.756,11.202 115.842,11.289 115.84,11.575 115.926,11.663 116.042,11.664 116.13,11.577 116.132,11.287 116.22,11.201 116.336,11.202 116.422,11.289 116.421,11.429 116.507,11.517 116.552,11.562 117.1,12.11 117.1,12.24 117.21,12.35 117.21,12.7 117.1,12.81 117.1,13.021 117.21,13.131 117.21,13.645 117.1,13.755 117.1,13.99 117.214,14.104 117.214,14.616 117.1,14.73 117.1,14.964 120.453,18.317 120.614,18.317 v1(120.666,18.368)
  L6 Sig w0.09: v1(120.666,18.368) 120.666,18.825 120.79,18.949 123.244,18.949 v1(123.845,19.551)
  L8 Bot w0.1: R100.2@107.805,10.452 107.805,10.875 108,11.07 109.43,11.07 109.81,11.45 110.29,11.45 110.52,11.68 110.52,13.027 v1(110.154,13.393)
DDR-0-A8: R101.2 U1.K1 U14.T8 | length 30.1
  L1 Top w0.1: v1(114.954,12.593) U14.T8@115.354,12.993 ; v1(121.445,19.551) U1.K1@121.845,19.151
  L3 Sig w0.09: v1(114.954,12.593) 114.729,12.818 114.729,15.086 114.873,15.23 115.146,15.23 115.2,15.176 115.2,12.936 115.253,12.884 115.457,12.884 115.51,12.936 115.51,15.89 115.69,16.07 116.093,16.07 116.327,15.836 116.327,15.762 115.979,15.414 115.979,13.3 115.784,13.104 115.784,12.882 116.15,12.515 116.225,12.515 116.278,12.568 116.278,15.373 119.798,18.893 ; 119.798,18.9 119.843,18.945 119.843,19.436 119.851,19.445 120.124,19.445 120.133,19.436 120.133,18.854 120.141,18.846 120.414,18.846 120.423,18.854 120.423,19.796 120.431,19.805 120.704,19.805 120.713,19.796 120.713,19.279 120.721,19.271 120.994,19.271 121.003,19.279 121.003,19.498 121.055,19.551 121.172,19.551 v1(121.445,19.551)
  L8 Bot w0.1: v1(114.954,12.593) 114.954,12.016 115.772,11.198 116.349,11.198 116.604,10.943 R101.2@116.604,10.452
DDR-0-A9: R102.2 U1.J4 U14.R3 | length 29.3
  L1 Top w0.1: v1(110.954,13.393) U14.R3@111.354,13.793 ; v1(123.845,20.351) U1.J4@124.245,19.951
  L3 Sig w0.09: v1(111.334,11.215) 111.418,11.215 111.603,11.03 111.63,11.03 112.255,11.03 112.342,11.117 112.342,11.338 112.429,11.425 112.545,11.425 112.632,11.338 112.632,10.957 112.719,10.87 112.835,10.87 112.922,10.957 112.922,11.31 113.009,11.397 113.125,11.397 113.212,11.31 113.212,10.957 113.299,10.87 113.415,10.87 113.502,10.957 113.502,11.211 113.589,11.298 113.705,11.298 113.792,11.211 113.792,10.957 113.879,10.87 113.995,10.87 114.082,10.957 114.082,11.211 114.169,11.298 114.285,11.298 114.372,11.211 114.372,11.117 114.459,11.03 115.044,11.03 116.51,11.03 117.46,11.98 117.46,14.798 120.242,17.579 120.242,17.768 120.516,18.043 120.8,18.043 121.413,18.657 122.71,18.657 123.47,19.416 123.47,19.976 v1(123.845,20.351)
  L6 Sig w0.09: v1(110.954,13.393) 110.57,13.009 110.57,11.89 110.857,11.603 110.946,11.603 v1(111.334,11.215)
  L8 Bot w0.1: R102.2@109.565,10.452 109.74,10.627 109.74,10.815 109.847,10.923 110.273,10.923 110.94,11.59 110.94,11.886 111.4,12.346 111.4,12.947 v1(110.954,13.393)
DDR-0-A10: R103.2 U1.F5 U14.L7 | length 33.2
  L1 Top w0.1: v1(114.154,16.593) U14.L7@114.554,16.993 ; v1(124.645,22.751) U1.F5@125.045,22.351
  L3 Sig w0.09: v1(114.154,16.593) 114.397,16.35 114.397,15.747 113.92,15.27 113.028,15.27 112.885,15.413 112.885,15.639 112.938,15.691 113.497,15.691 113.55,15.744 113.55,15.986 113.497,16.039 112.922,16.039 112.87,16.091 112.87,16.291 112.936,16.357 113.507,16.357 113.56,16.41 113.56,16.652 113.507,16.705 112.92,16.705 112.868,16.757 112.868,16.968 113.04,17.14 113.74,17.14 113.97,16.91 114.768,16.91 115.103,16.91 115.19,16.823 115.19,16.542 115.277,16.455 115.393,16.455 115.48,16.542 115.48,16.83 115.567,16.917 115.683,16.917 115.77,16.83 115.77,16.549 115.857,16.462 115.973,16.462 116.06,16.549 116.06,16.823 116.147,16.91 116.244,16.91 116.444,16.91 119.303,19.77 v1(120.083,19.77)
  L6 Sig w0.09: v1(120.083,19.77) 120.132,19.72 121.191,19.72 121.345,19.874 122.108,19.874 122.11,19.876 122.38,19.876 122.382,19.874 122.415,19.874 122.82,19.469 122.82,19.458 122.952,19.326 122.963,19.326 122.982,19.307 123.199,19.307 123.38,19.488 123.38,19.851 123.6,20.071 123.6,20.442 124.428,21.269 124.428,22.494 124.645,22.712 v1(124.645,22.751)
  L8 Bot w0.1: R103.2@112.204,10.452 112.204,10.818 112.78,11.394 112.78,12.81 112.27,13.32 112.27,15.56 113.303,16.593 v1(114.154,16.593)
DDR-0-A11: R104.2 U1.G4 U14.R7 | length 30.5
  L1 Top w0.1: v1(114.154,13.393) U14.R7@114.554,13.793 ; v1(123.845,21.951) U1.G4@124.245,21.551
  L3 Sig w0.09: v1(114.154,13.393) 113.317,14.23 111.88,14.23 111.71,14.4 111.71,14.61 111.71,14.655 111.623,14.742 111.366,14.742 111.279,14.829 111.279,14.945 111.366,15.032 111.947,15.032 112.034,15.119 112.034,15.235 111.947,15.322 111.211,15.322 111.124,15.409 111.124,15.525 111.211,15.612 111.947,15.612 112.034,15.699 112.034,15.815 111.947,15.902 111.25,15.902 111.163,15.989 111.163,16.105 111.25,16.192 111.947,16.192 112.034,16.279 112.034,16.395 111.947,16.482 111.797,16.482 111.71,16.569 111.71,16.669 111.71,16.91 112.5,17.7 115.42,17.7 116.34,18.62 117.35,18.62 118.37,19.64 118.37,20.6 118.55,20.78 119.28,20.78 119.605,20.455 120.685,20.455 121.114,20.026 123.18,20.026 123.44,20.286 123.44,21.176 123.845,21.581 v1(123.845,21.951)
  L8 Bot w0.1: v1(114.154,13.393) 113.79,13.029 113.79,12.05 114.844,10.996 R104.2@114.844,10.452
DDR-0-A12: R105.2 U1.E4 U14.N7 | length 29.9
  L1 Top w0.1: v1(114.154,14.993) U14.N7@114.554,15.393 ; v1(123.845,23.551) U1.E4@124.245,23.151
  L3 Sig w0.09: v1(114.154,14.993) 112.92,14.993 112.64,15.273 112.64,17.06 112.65,17.06 112.91,17.32 113.909,17.32 114.061,17.168 114.247,17.168 114.399,17.32 114.709,17.32 114.861,17.168 115.047,17.168 115.199,17.32 115.444,17.32 115.678,17.087 116.298,17.087 116.335,17.124 116.367,17.156 116.367,17.279 115.865,17.781 115.865,17.904 115.947,17.987 116.07,17.987 116.613,17.443 116.736,17.443 116.818,17.525 116.818,17.648 116.283,18.183 116.283,18.306 116.365,18.388 116.488,18.388 117.023,17.853 117.146,17.853 117.228,17.935 117.228,18.058 117.103,18.183 117.103,18.306 117.185,18.388 117.309,18.388 117.393,18.304 117.516,18.304 117.609,18.398 118.65,19.439 118.65,20.29 118.78,20.42 119.26,20.42 119.55,20.13 v1(120.55,20.13)
  L6 Sig w0.09: v1(120.55,20.13) 120.58,20.1 122.464,20.1 124.25,21.886 124.25,23.146 v1(123.845,23.551)
  L8 Bot w0.1: R105.2@113.084,10.452 113.084,13.59 114.137,14.643 114.137,14.976 v1(114.154,14.993)
DDR-0-A13: R106.2 U1.D4 U14.T3 | length 29.3
  L1 Top w0.09: v1(123.845,24.351) U1.D4@124.245,23.951
  L1 Top w0.1: v1(110.954,12.593) U14.T3@111.354,12.993
  L3 Sig w0.09: v1(110.954,12.593) 113.36,12.593 113.725,12.228 116.395,12.228 116.521,12.354 116.521,15.164 119.918,18.56 v1(119.925,18.56)
  L6 Sig w0.09: v1(119.925,18.56) 120.464,18.021 121.001,18.021 121.539,18.559 123.348,18.559 124.181,19.393 124.181,20.47 124.664,20.952 124.664,22.311 124.97,22.616 124.97,22.994 124.864,23.1 124.62,23.1 124.256,23.464 124.256,23.94 v1(123.845,24.351)
  L8 Bot w0.1: R106.2@108.685,10.452 108.685,10.815 108.76,10.89 109.56,10.89 109.88,11.21 109.9,11.21 109.96,11.27 110.365,11.27 110.708,11.614 110.708,12.347 v1(110.954,12.593)
DDR-0-A14: R107.2 U1.F4 U14.T7 | length 27.7
  L1 Top w0.1: v1(114.154,12.593) U14.T7@114.554,12.993 ; v1(123.845,22.751) U1.F4@124.245,22.351
  L3 Sig w0.09: v1(114.154,12.593) 114.49,12.929 114.49,13.67 114.388,13.772 114.072,13.772 113.796,14.047 113.796,14.375 113.961,14.54 114.198,14.54 114.525,14.867 114.525,15.261 114.744,15.48 115.031,15.48 115.2,15.649 115.2,15.964 115.528,16.292 116.289,16.292 116.508,16.073 116.631,16.073 116.713,16.155 116.713,16.278 116.444,16.547 116.444,16.67 116.526,16.752 116.649,16.752 116.968,16.433 117.091,16.433 117.173,16.515 117.173,16.638 116.854,16.957 116.854,17.08 116.936,17.162 117.059,17.162 117.378,16.843 117.501,16.843 117.583,16.925 117.583,17.048 117.264,17.367 117.264,17.49 117.346,17.572 117.469,17.572 117.788,17.253 117.911,17.253 117.993,17.335 117.993,17.459 117.674,17.777 117.674,17.9 117.756,17.982 117.879,17.982 118.198,17.664 118.321,17.664 118.403,17.746 118.403,17.869 118.084,18.187 118.084,18.31 118.166,18.392 118.289,18.392 118.608,18.074 118.731,18.074 118.813,18.156 118.813,18.279 118.495,18.598 118.495,18.721 118.577,18.803 118.7,18.803 119.018,18.484 119.141,18.484 119.223,18.566 119.223,18.689 119.014,18.898 119.014,19.021 119.164,19.171 v1(119.322,19.328)
  L6 Sig w0.09: v1(119.322,19.328) 119.322,19.816 119.374,19.868 119.374,19.914 119.744,20.284 120.084,20.284 120.41,20.61 122.107,20.61 123.36,21.863 123.36,22.266 v1(123.845,22.751)
  L8 Bot w0.1: v1(114.154,12.593) 114.158,12.589 114.158,12.302 115.691,10.768 115.691,10.485 R107.2@115.724,10.452
DDR-0-BA0: R108.2 U1.L5 U14.M2 | length 26.7
  L1 Top w0.1: v1(110.154,15.793) U14.M2@110.554,16.193 110.963,16.602 111.769,16.602 111.98,16.39 111.98,11.416 v1(111.994,11.401) ; v1(124.645,17.951) U1.L5@125.045,18.351
  L3 Sig w0.1: v1(120.47,12.17) 121.73,12.17 122.19,12.63 122.19,14.463 123.717,15.99 124.181,15.99 124.385,16.193 124.385,17.69 v1(124.645,17.951)
  L6 Sig w0.1: v1(111.994,11.401) 111.996,11.4 116.97,11.4 117.74,12.17 119.253,12.17 119.263,12.18 119.537,12.18 119.547,12.17 v1(120.47,12.17)
  L8 Bot w0.1: R108.2@108.8,15.29 109.184,15.29 109.357,15.463 109.824,15.463 v1(110.154,15.793)
DDR-0-BA1: R109.2 U1.R4 U14.N8 | length 12.7
  L1 Top w0.1: v1(114.954,14.993) U14.N8@115.354,15.393 ; v1(123.845,14.751) U1.R4@124.245,15.151
  L6 Sig w0.1: v1(114.954,14.993) 115.271,14.676 115.964,14.676 116.592,14.048 121.948,14.048 122.651,14.751 v1(123.845,14.751)
  L8 Bot w0.1: R109.2@113.408,15.013 113.896,15.5 114.447,15.5 v1(114.954,14.993)
DDR-0-BA2: R110.2 U1.J5 U14.M3 | length 21.6
  L1 Top w0.1: v1(110.954,15.793) U14.M3@111.354,16.193 ; v1(124.645,20.351) U1.J5@125.045,19.951
  L6 Sig w0.1: v1(110.954,15.793) 111.297,15.45 115.81,15.45 117.023,14.237 120.434,14.237 122.185,15.988 124.878,15.988 125.035,16.145 125.035,18.121 ; v1(124.645,20.351) 124.645,19.975 125.036,19.584 125.036,18.121
  L8 Bot w0.1: v1(110.954,15.793) 111.493,15.793 R110.2@111.5,15.8
DDR-0-CAS: R115.2 U1.P5 U14.K3 | length 22.8
  L1 Top w0.1: U14.K3@111.354,17.793 v1(111.754,18.193) 112.36,17.587 v1(112.36,12.07) ; v1(124.645,15.551) U1.P5@125.045,15.951
  L6 Sig w0.1: v1(112.36,12.07) 116.89,12.07 117.63,12.81 122.229,12.81 123.169,13.75 124.08,13.75 124.92,14.59 124.92,15.276 v1(124.645,15.551)
  L8 Bot w0.1: v1(111.754,18.193) 112.363,18.193 R115.2@112.39,18.22
DDR-0-CLK: R118.2 U1.N3 U14.K9 | length 33.8
  L1 Top w0.1: v1(115.754,17.393) U14.K9@116.154,17.793 116.73,18.369 116.73,19.881 116.789,19.94 116.993,19.94 117.051,19.881 117.051,12.188 117.11,12.129 117.331,12.129 117.39,12.188 117.39,16.821 117.449,16.88 117.658,16.88 117.716,16.821 117.716,11.919 117.775,11.86 117.979,11.86 118.037,11.919 118.037,12.678 118.096,12.737 118.305,12.737 118.364,12.678 118.364,12.353 118.423,12.295 118.644,12.295 118.703,12.353 118.703,13.911 118.761,13.97 118.951,13.97 119.01,13.911 119.01,12.992 119.069,12.933 119.302,12.933 119.361,12.992 119.361,13.951 119.42,14.01 120.64,14.01 121.37,14.74 122.89,14.74 123.045,14.895 v1(123.045,16.351) U1.N3@123.445,16.751